# Altium PCB Production_v4.PcbDoc (part 1 of 3) (continued)
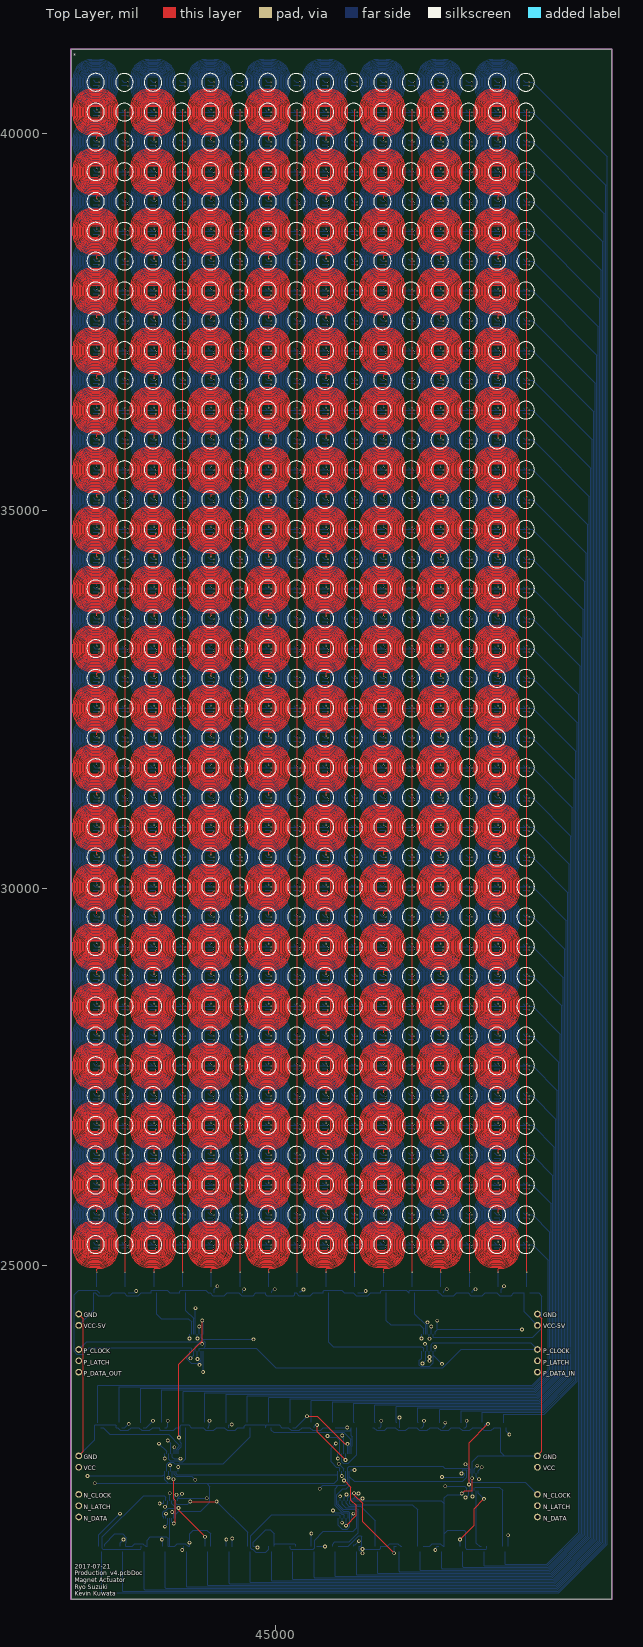
[diagram p0: Top Layer view]
## Footprints (in the part's own frame and the unit in brackets; to place one, negate y for a bottom-side part, rotate by r counter-clockwise, add the part's x,y. Pads: shape width x height; smd on the part's side, far side on the other; paste and mask are expansions set on the pad) (continued)
2(2845,-444.57) 2(2845,-49.57) 2(2845,345.43) 2(2845,740.43) 2(2845,1135.43) 2(2845,1530.43) 2(2845,1925.43) 2(2845,2320.43) 2(2845,2715.43) 2(2845,3110.43) 2(2845,3505.43) 2(2845,3900.43) 2(2845,4295.43) 2(2845,4690.43) 2(2845,5085.43) 2(2845,5480.43) 2(2845,5875.43) 2(2845,6270.43) 2(2845,6665.43) 2(2845,7060.43) 2(2845,7455.43)
  round 20 hole 8: 1(-2805,-7949.57) 1(-2805,-7554.57) 1(-2805,-7159.57) 1(-2805,-6764.57) 1(-2805,-6369.57) 1(-2805,-5974.57) 1(-2805,-5579.57) 1(-2805,-5184.57) 1(-2805,-4789.57) 1(-2805,-4394.57) 1(-2805,-3999.57) 1(-2805,-3604.57) 1(-2805,-3209.57) 1(-2805,-2814.57) 1(-2805,-2419.57) 1(-2805,-2024.57) 1(-2805,-1629.57) 1(-2805,-1234.57) 1(-2805,-839.57) 1(-2805,-444.57) 1(-2805,-49.57) 1(-2805,345.43) 1(-2805,740.43) 1(-2805,1135.43) 1(-2805,1530.43) 1(-2805,1925.43) 1(-2805,2320.43) 1(-2805,2715.43) 1(-2805,3110.43) 1(-2805,3505.43) 1(-2805,3900.43) 1(-2805,4295.87) 1(-2805,4690.87) 1(-2805,5085.87) 1(-2805,5480.87) 1(-2805,5875.87) 1(-2805,6270.87) 1(-2805,6665.87) 1(-2805,7060.87) 1(-2425,-7950) 1(-2425,-7555) 1(-2425,-7160) 1(-2425,-6765) 1(-2425,-6370) 1(-2425,-5975) 1(-2425,-5580) 1(-2425,-5185) 1(-2425,-4790) 1(-2425,-4395) 1(-2425,-4000) 1(-2425,-3605) 1(-2425,-3210) 1(-2425,-2815) 1(-2425,-2420) 1(-2425,-2025) 1(-2425,-1630) 1(-2425,-1235) 1(-2425,-840) 1(-2425,-445) 1(-2425,-50) 1(-2425,345) 1(-2425,740) 1(-2425,1135) 1(-2425,1530) 1(-2425,1925) 1(-2425,2320) 1(-2425,2715) 1(-2425,3110) 1(-2425,3505) 1(-2425,3900) 1(-2425,4295) 1(-2425,4690) 1(-2425,5085) 1(-2425,5480) 1(-2425,5875) 1(-2425,6270) 1(-2425,6665) 1(-2425,7060) 1(-2045,-7949.57) 1(-2045,-7554.57) 1(-2045,-7159.57) 1(-2045,-6764.57) 1(-2045,-6369.57) 1(-2045,-5974.57) 1(-2045,-5579.57) 1(-2045,-5184.57) 1(-2045,-4789.57) 1(-2045,-4394.57) 1(-2045,-3999.57) 1(-2045,-3604.57) 1(-2045,-3209.57) 1(-2045,-2814.57) 1(-2045,-2419.57) 1(-2045,-2024.57) 1(-2045,-1629.57) 1(-2045,-1234.57) 1(-2045,-839.57) 1(-2045,-444.57) 1(-2045,-49.57) 1(-2045,345.43) 1(-2045,740.43) 1(-2045,1135.43) 1(-2045,1530.43) 1(-2045,1925.43) 1(-2045,2320.43) 1(-2045,2715.43) 1(-2045,3110.43) 1(-2045,3505.43) 1(-2045,3900.43) 1(-2045,4295.87) 1(-2045,4690.87) 1(-2045,5085.87) 1(-2045,5480.87) 1(-2045,5875.87) 1(-2045,6270.87) 1(-2045,6665.87) 1(-2045,7060.87) 1(-1665,-7950) 1(-1665,-7555) 1(-1665,-7160) 1(-1665,-6765) 1(-1665,-6370) 1(-1665,-5975) 1(-1665,-5580) 1(-1665,-5185) 1(-1665,-4790) 1(-1665,-4395) 1(-1665,-4000) 1(-1665,-3605) 1(-1665,-3210) 1(-1665,-2815) 1(-1665,-2420) 1(-1665,-2025) 1(-1665,-1630) 1(-1665,-1235) 1(-1665,-840) 1(-1665,-445) 1(-1665,-50) 1(-1665,345) 1(-1665,740) 1(-1665,1135) 1(-1665,1530) 1(-1665,1925) 1(-1665,2320) 1(-1665,2715) 1(-1665,3110) 1(-1665,3505) 1(-1665,3900) 1(-1665,4295) 1(-1665,4690) 1(-1665,5085) 1(-1665,5480) 1(-1665,5875) 1(-1665,6270) 1(-1665,6665) 1(-1665,7060) 1(-1285,-7949.57) 1(-1285,-7554.57) 1(-1285,-7159.57) 1(-1285,-6764.57) 1(-1285,-6369.57) 1(-1285,-5974.57) 1(-1285,-5579.57) 1(-1285,-5184.57) 1(-1285,-4789.57) 1(-1285,-4394.57) 1(-1285,-3999.57) 1(-1285,-3604.57) 1(-1285,-3209.57) 1(-1285,-2814.57) 1(-1285,-2419.57) 1(-1285,-2024.57) 1(-1285,-1629.57) 1(-1285,-1234.57) 1(-1285,-839.57) 1(-1285,-444.57) 1(-1285,-49.57) 1(-1285,345.43) 1(-1285,740.43) 1(-1285,1135.43) 1(-1285,1530.43) 1(-1285,1925.43) 1(-1285,2320.43) 1(-1285,2715.43) 1(-1285,3110.43) 1(-1285,3505.43) 1(-1285,3900.43) 1(-1285,4295.87) 1(-1285,4690.87) 1(-1285,5085.87) 1(-1285,5480.87) 1(-1285,5875.87) 1(-1285,6270.87) 1(-1285,6665.87) 1(-1285,7060.87) 1(-905,-7950) 1(-905,-7555) 1(-905,-7160) 1(-905,-6765) 1(-905,-6370) 1(-905,-5975) 1(-905,-5580) 1(-905,-5185) 1(-905,-4790) 1(-905,-4395) 1(-905,-4000) 1(-905,-3605) 1(-905,-3210) 1(-905,-2815) 1(-905,-2420) 1(-905,-2025) 1(-905,-1630) 1(-905,-1235) 1(-905,-840) 1(-905,-445) 1(-905,-50) 1(-905,345) 1(-905,740) 1(-905,1135) 1(-905,1530) 1(-905,1925) 1(-905,2320) 1(-905,2715) 1(-905,3110) 1(-905,3505) 1(-905,3900) 1(-905,4295) 1(-905,4690) 1(-905,5085) 1(-905,5480) 1(-905,5875) 1(-905,6270) 1(-905,6665) 1(-905,7060) 1(-525,-7949.57) 1(-525,-7554.57) 1(-525,-7159.57) 1(-525,-6764.57) 1(-525,-6369.57) 1(-525,-5974.57) 1(-525,-5579.57) 1(-525,-5184.57) 1(-525,-4789.57) 1(-525,-4394.57) 1(-525,-3999.57) 1(-525,-3604.57) 1(-525,-3209.57) 1(-525,-2814.57) 1(-525,-2419.57) 1(-525,-2024.57) 1(-525,-1629.57) 1(-525,-1234.57) 1(-525,-839.57) 1(-525,-444.57) 1(-525,-49.57) 1(-525,345.43) 1(-525,740.43) 1(-525,1135.43) 1(-525,1530.43) 1(-525,1925.43) 1(-525,2320.43) 1(-525,2715.43) 1(-525,3110.43) 1(-525,3505.43) 1(-525,3900.43) 1(-525,4295.87) 1(-525,4690.87) 1(-525,5085.87) 1(-525,5480.87) 1(-525,5875.87) 1(-525,6270.87) 1(-525,6665.87) 1(-525,7060.87) 1(-145,-7950) 1(-145,-7555) 1(-145,-7160) 1(-145,-6765) 1(-145,-6370) 1(-145,-5975) 1(-145,-5580) 1(-145,-5185) 1(-145,-4790) 1(-145,-4395) 1(-145,-4000) 1(-145,-3605) 1(-145,-3210) 1(-145,-2815) 1(-145,-2420) 1(-145,-2025) 1(-145,-1630) 1(-145,-1235) 1(-145,-840) 1(-145,-445) 1(-145,-50) 1(-145,345) 1(-145,740) 1(-145,1135) 1(-145,1530) 1(-145,1925) 1(-145,2320) 1(-145,2715) 1(-145,3110) 1(-145,3505) 1(-145,3900) 1(-145,4295) 1(-145,4690) 1(-145,5085) 1(-145,5480) 1(-145,5875) 1(-145,6270) 1(-145,6665) 1(-145,7060) 1(235,-7949.57) 1(235,-7554.57) 1(235,-7159.57) 1(235,-6764.57) 1(235,-6369.57) 1(235,-5974.57) 1(235,-5579.57) 1(235,-5184.57) 1(235,-4789.57) 1(235,-4394.57) 1(235,-3999.57) 1(235,-3604.57) 1(235,-3209.57) 1(235,-2814.57) 1(235,-2419.57) 1(235,-2024.57) 1(235,-1629.57) 1(235,-1234.57) 1(235,-839.57) 1(235,-444.57) 1(235,-49.57) 1(235,345.43) 1(235,740.43) 1(235,1135.43) 1(235,1530.43) 1(235,1925.43) 1(235,2320.43) 1(235,2715.43) 1(235,3110.43) 1(235,3505.43) 1(235,3900.43) 1(235,4295.87) 1(235,4690.87) 1(235,5085.87) 1(235,5480.87) 1(235,5875.87) 1(235,6270.87) 1(235,6665.87) 1(235,7060.87) 1(615,-7950) 1(615,-7555) 1(615,-7160) 1(615,-6765) 1(615,-6370) 1(615,-5975) 1(615,-5580) 1(615,-5185) 1(615,-4790) 1(615,-4395) 1(615,-4000) 1(615,-3605) 1(615,-3210) 1(615,-2815) 1(615,-2420) 1(615,-2025) 1(615,-1630) 1(615,-1235) 1(615,-840) 1(615,-445) 1(615,-50) 1(615,345) 1(615,740) 1(615,1135) 1(615,1530) 1(615,1925) 1(615,2320) 1(615,2715) 1(615,3110) 1(615,3505) 1(615,3900) 1(615,4295) 1(615,4690) 1(615,5085) 1(615,5480) 1(615,5875) 1(615,6270) 1(615,6665) 1(615,7060) 1(995,-7949.57) 1(995,-7554.57) 1(995,-7159.57) 1(995,-6764.57) 1(995,-6369.57) 1(995,-5974.57) 1(995,-5579.57) 1(995,-5184.57) 1(995,-4789.57) 1(995,-4394.57) 1(995,-3999.57) 1(995,-3604.57) 1(995,-3209.57) 1(995,-2814.57) 1(995,-2419.57) 1(995,-2024.57) 1(995,-1629.57) 1(995,-1234.57) 1(995,-839.57) 1(995,-444.57) 1(995,-49.57) 1(995,345.43) 1(995,740.43) 1(995,1135.43) 1(995,1530.43) 1(995,1925.43) 1(995,2320.43) 1(995,2715.43) 1(995,3110.43) 1(995,3505.43) 1(995,3900.43) 1(995,4295.87) 1(995,4690.87) 1(995,5085.87) 1(995,5480.87) 1(995,5875.87) 1(995,6270.87) 1(995,6665.87) 1(995,7060.87) 1(1375,-7950) 1(1375,-7555) 1(1375,-7160) 1(1375,-6765) 1(1375,-6370) 1(1375,-5975) 1(1375,-5580) 1(1375,-5185) 1(1375,-4790) 1(1375,-4395) 1(1375,-4000) 1(1375,-3605) 1(1375,-3210) 1(1375,-2815) 1(1375,-2420) 1(1375,-2025) 1(1375,-1630) 1(1375,-1235) 1(1375,-840) 1(1375,-445) 1(1375,-50) 1(1375,345) 1(1375,740) 1(1375,1135) 1(1375,1530) 1(1375,1925) 1(1375,2320) 1(1375,2715) 1(1375,3110) 1(1375,3505) 1(1375,3900) 1(1375,4295) 1(1375,4690) 1(1375,5085) 1(1375,5480) 1(1375,5875) 1(1375,6270) 1(1375,6665) 1(1375,7060) 1(1755,-7949.57) 1(1755,-7554.57) 1(1755,-7159.57) 1(1755,-6764.57) 1(1755,-6369.57) 1(1755,-5974.57) 1(1755,-5579.57) 1(1755,-5184.57) 1(1755,-4789.57) 1(1755,-4394.57) 1(1755,-3999.57) 1(1755,-3604.57) 1(1755,-3209.57) 1(1755,-2814.57) 1(1755,-2419.57) 1(1755,-2024.57) 1(1755,-1629.57) 1(1755,-1234.57) 1(1755,-839.57) 1(1755,-444.57) 1(1755,-49.57) 1(1755,345.43) 1(1755,740.43) 1(1755,1135.43) 1(1755,1530.43) 1(1755,1925.43) 1(1755,2320.43) 1(1755,2715.43) 1(1755,3110.43) 1(1755,3505.43) 1(1755,3900.43) 1(1755,4295.87) 1(1755,4690.87) 1(1755,5085.87) 1(1755,5480.87) 1(1755,5875.87) 1(1755,6270.87) 1(1755,6665.87) 1(1755,7060.87) 1(2135,-7950) 1(2135,-7555) 1(2135,-7160) 1(2135,-6765) 1(2135,-6370) 1(2135,-5975) 1(2135,-5580) 1(2135,-5185) 1(2135,-4790) 1(2135,-4395) 1(2135,-4000) 1(2135,-3605) 1(2135,-3210) 1(2135,-2815) 1(2135,-2420) 1(2135,-2025) 1(2135,-1630) 1(2135,-1235) 1(2135,-840) 1(2135,-445) 1(2135,-50) 1(2135,345) 1(2135,740) 1(2135,1135) 1(2135,1530) 1(2135,1925) 1(2135,2320) 1(2135,2715) 1(2135,3110) 1(2135,3505) 1(2135,3900) 1(2135,4295) 1(2135,4690) 1(2135,5085) 1(2135,5480) 1(2135,5875) 1(2135,6270) 1(2135,6665) 1(2135,7060) 1(2515,-7949.57) 1(2515,-7554.57) 1(2515,-7159.57) 1(2515,-6764.57) 1(2515,-6369.57) 1(2515,-5974.57) 1(2515,-5579.57) 1(2515,-5184.57) 1(2515,-4789.57) 1(2515,-4394.57) 1(2515,-3999.57) 1(2515,-3604.57) 1(2515,-3209.57) 1(2515,-2814.57) 1(2515,-2419.57) 1(2515,-2024.57) 1(2515,-1629.57) 1(2515,-1234.57) 1(2515,-839.57) 1(2515,-444.57) 1(2515,-49.57) 1(2515,345.43) 1(2515,740.43) 1(2515,1135.43) 1(2515,1530.43) 1(2515,1925.43) 1(2515,2320.43) 1(2515,2715.43) 1(2515,3110.43) 1(2515,3505.43) 1(2515,3900.43) 1(2515,4295.87) 1(2515,4690.87) 1(2515,5085.87) 1(2515,5480.87) 1(2515,5875.87) 1(2515,6270.87) 1(2515,6665.87) 1(2515,7060.87) 1(2895,-7950) 1(2895,-7555) 1(2895,-7160) 1(2895,-6765) 1(2895,-6370) 1(2895,-5975) 1(2895,-5580) 1(2895,-5185) 1(2895,-4790) 1(2895,-4395) 1(2895,-4000) 1(2895,-3605) 1(2895,-3210) 1(2895,-2815) 1(2895,-2420) 1(2895,-2025) 1(2895,-1630) 1(2895,-1235) 1(2895,-840) 1(2895,-445) 1(2895,-50) 1(2895,345) 1(2895,740) 1(2895,1135) 1(2895,1530) 1(2895,1925) 1(2895,2320) 1(2895,2715) 1(2895,3110) 1(2895,3505) 1(2895,3900) 1(2895,4295) 1(2895,4690) 1(2895,5085) 1(2895,5480) 1(2895,5875) 1(2895,6270) 1(2895,6665) 1(2895,7060) P1(-2805,-8344.57) P2(-2425,-8345) P3(-2045,-8344.57) P4(-1665,-8345) P5(-1285,-8344.57) P6(-905,-8345) P7(-525,-8344.57) P8(-145,-8345) P9(235,-8344.57) P10(615,-8345) P11(995,-8344.57) P12(1375,-8345) P13(1755,-8344.57) P14(2135,-8345) P15(2515,-8344.57) P16(2895,-8345)
  round 18 hole 9.84: 2(-2775,-8029.57) 2(-2775,-7634.57) 2(-2775,-7239.57) 2(-2775,-6844.57) 2(-2775,-6449.57) 2(-2775,-6054.57) 2(-2775,-5659.57) 2(-2775,-5264.57) 2(-2775,-4869.57) 2(-2775,-4474.57) 2(-2775,-4079.57) 2(-2775,-3684.57) 2(-2775,-3289.57) 2(-2775,-2894.57) 2(-2775,-2499.57) 2(-2775,-2104.57) 2(-2775,-1709.57) 2(-2775,-1314.57) 2(-2775,-919.57) 2(-2775,-524.57) 2(-2775,-129.57) 2(-2775,265.43) 2(-2775,660.43) 2(-2775,1055.43) 2(-2775,1450.43) 2(-2775,1845.43) 2(-2775,2240.43) 2(-2775,2635.43) 2(-2775,3030.43) 2(-2775,3425.43) 2(-2775,3820.43) 2(-2775,4215.43) 2(-2775,4610.87) 2(-2775,5005.87) 2(-2775,5400.87) 2(-2775,5795.87) 2(-2775,6190.87) 2(-2775,6585.87) 2(-2775,6980.87) 2(-2775,7375.87) 2(-2395,-8030) 2(-2395,-7635) 2(-2395,-7240) 2(-2395,-6845) 2(-2395,-6450) 2(-2395,-6055) 2(-2395,-5660) 2(-2395,-5265) 2(-2395,-4870) 2(-2395,-4475) 2(-2395,-4080) 2(-2395,-3685) 2(-2395,-3290) 2(-2395,-2895) 2(-2395,-2500) 2(-2395,-2105) 2(-2395,-1710) 2(-2395,-1315) 2(-2395,-920) 2(-2395,-525) 2(-2395,-130) 2(-2395,265) 2(-2395,660) 2(-2395,1055) 2(-2395,1450) 2(-2395,1845) 2(-2395,2240) 2(-2395,2635) 2(-2395,3030) 2(-2395,3425) 2(-2395,3820) 2(-2395,4215) 2(-2395,4610) 2(-2395,5005) 2(-2395,5400) 2(-2395,5795) 2(-2395,6190) 2(-2395,6585) 2(-2395,6980) 2(-2395,7375) 2(-2015,-8029.57) 2(-2015,-7634.57) 2(-2015,-7239.57) 2(-2015,-6844.57) 2(-2015,-6449.57) 2(-2015,-6054.57) 2(-2015,-5659.57) 2(-2015,-5264.57) 2(-2015,-4869.57) 2(-2015,-4474.57) 2(-2015,-4079.57) 2(-2015,-3684.57) 2(-2015,-3289.57) 2(-2015,-2894.57) 2(-2015,-2499.57) 2(-2015,-2104.57) 2(-2015,-1709.57) 2(-2015,-1314.57) 2(-2015,-919.57) 2(-2015,-524.57) 2(-2015,-129.57) 2(-2015,265.43) 2(-2015,660.43) 2(-2015,1055.43) 2(-2015,1450.43) 2(-2015,1845.43) 2(-2015,2240.43) 2(-2015,2635.43) 2(-2015,3030.43) 2(-2015,3425.43) 2(-2015,3820.43) 2(-2015,4215.43) 2(-2015,4610.87) 2(-2015,5005.87) 2(-2015,5400.87) 2(-2015,5795.87) 2(-2015,6190.87) 2(-2015,6585.87) 2(-2015,6980.87) 2(-2015,7375.87) 2(-1635,-8030) 2(-1635,-7635) 2(-1635,-7240) 2(-1635,-6845) 2(-1635,-6450) 2(-1635,-6055) 2(-1635,-5660) 2(-1635,-5265) 2(-1635,-4870) 2(-1635,-4475) 2(-1635,-4080) 2(-1635,-3685) 2(-1635,-3290) 2(-1635,-2895) 2(-1635,-2500) 2(-1635,-2105) 2(-1635,-1710) 2(-1635,-1315) 2(-1635,-920) 2(-1635,-525) 2(-1635,-130) 2(-1635,265) 2(-1635,660) 2(-1635,1055) 2(-1635,1450) 2(-1635,1845) 2(-1635,2240) 2(-1635,2635) 2(-1635,3030) 2(-1635,3425) 2(-1635,3820) 2(-1635,4215) 2(-1635,4610) 2(-1635,5005) 2(-1635,5400) 2(-1635,5795) 2(-1635,6190) 2(-1635,6585) 2(-1635,6980) 2(-1635,7375) 2(-1255,-8029.57) 2(-1255,-7634.57) 2(-1255,-7239.57) 2(-1255,-6844.57) 2(-1255,-6449.57) 2(-1255,-6054.57) 2(-1255,-5659.57) 2(-1255,-5264.57) 2(-1255,-4869.57) 2(-1255,-4474.57) 2(-1255,-4079.57) 2(-1255,-3684.57) 2(-1255,-3289.57) 2(-1255,-2894.57) 2(-1255,-2499.57) 2(-1255,-2104.57) 2(-1255,-1709.57) 2(-1255,-1314.57) 2(-1255,-919.57) 2(-1255,-524.57) 2(-1255,-129.57) 2(-1255,265.43) 2(-1255,660.43) 2(-1255,1055.43) 2(-1255,1450.43) 2(-1255,1845.43) 2(-1255,2240.43) 2(-1255,2635.43) 2(-1255,3030.43) 2(-1255,3425.43) 2(-1255,3820.43) 2(-1255,4215.43) 2(-1255,4610.87) 2(-1255,5005.87) 2(-1255,5400.87) 2(-1255,5795.87) 2(-1255,6190.87) 2(-1255,6585.87) 2(-1255,6980.87) 2(-1255,7375.87) 2(-875,-8030) 2(-875,-7635) 2(-875,-7240) 2(-875,-6845) 2(-875,-6450) 2(-875,-6055) 2(-875,-5660) 2(-875,-5265) 2(-875,-4870) 2(-875,-4475) 2(-875,-4080) 2(-875,-3685) 2(-875,-3290) 2(-875,-2895) 2(-875,-2500) 2(-875,-2105) 2(-875,-1710) 2(-875,-1315) 2(-875,-920) 2(-875,-525) 2(-875,-130) 2(-875,265) 2(-875,660) 2(-875,1055) 2(-875,1450) 2(-875,1845) 2(-875,2240) 2(-875,2635) 2(-875,3030) 2(-875,3425) 2(-875,3820) 2(-875,4215) 2(-875,4610) 2(-875,5005) 2(-875,5400) 2(-875,5795) 2(-875,6190) 2(-875,6585) 2(-875,6980) 2(-875,7375) 2(-495,-8029.57) 2(-495,-7634.57) 2(-495,-7239.57) 2(-495,-6844.57) 2(-495,-6449.57) 2(-495,-6054.57) 2(-495,-5659.57) 2(-495,-5264.57) 2(-495,-4869.57) 2(-495,-4474.57) 2(-495,-4079.57) 2(-495,-3684.57) 2(-495,-3289.57) 2(-495,-2894.57) 2(-495,-2499.57) 2(-495,-2104.57) 2(-495,-1709.57) 2(-495,-1314.57) 2(-495,-919.57) 2(-495,-524.57) 2(-495,-129.57) 2(-495,265.43) 2(-495,660.43) 2(-495,1055.43) 2(-495,1450.43) 2(-495,1845.43) 2(-495,2240.43) 2(-495,2635.43) 2(-495,3030.43) 2(-495,3425.43) 2(-495,3820.43) 2(-495,4215.43) 2(-495,4610.87) 2(-495,5005.87) 2(-495,5400.87) 2(-495,5795.87) 2(-495,6190.87) 2(-495,6585.87) 2(-495,6980.87) 2(-495,7375.87) 2(-115,-8030) 2(-115,-7635) 2(-115,-7240) 2(-115,-6845) 2(-115,-6450) 2(-115,-6055) 2(-115,-5660) 2(-115,-5265) 2(-115,-4870) 2(-115,-4475) 2(-115,-4080) 2(-115,-3685) 2(-115,-3290) 2(-115,-2895) 2(-115,-2500) 2(-115,-2105) 2(-115,-1710) 2(-115,-1315) 2(-115,-920) 2(-115,-525) 2(-115,-130) 2(-115,265) 2(-115,660) 2(-115,1055) 2(-115,1450) 2(-115,1845) 2(-115,2240) 2(-115,2635) 2(-115,3030) 2(-115,3425) 2(-115,3820) 2(-115,4215) 2(-115,4610) 2(-115,5005) 2(-115,5400) 2(-115,5795) 2(-115,6190) 2(-115,6585) 2(-115,6980) 2(-115,7375) 2(265,-8029.57) 2(265,-7634.57) 2(265,-7239.57) 2(265,-6844.57) 2(265,-6449.57) 2(265,-6054.57) 2(265,-5659.57) 2(265,-5264.57) 2(265,-4869.57) 2(265,-4474.57) 2(265,-4079.57) 2(265,-3684.57) 2(265,-3289.57) 2(265,-2894.57) 2(265,-2499.57) 2(265,-2104.57) 2(265,-1709.57) 2(265,-1314.57) 2(265,-919.57) 2(265,-524.57) 2(265,-129.57) 2(265,265.43) 2(265,660.43) 2(265,1055.43) 2(265,1450.43) 2(265,1845.43) 2(265,2240.43) 2(265,2635.43) 2(265,3030.43) 2(265,3425.43) 2(265,3820.43) 2(265,4215.43) 2(265,4610.87) 2(265,5005.87) 2(265,5400.87) 2(265,5795.87) 2(265,6190.87) 2(265,6585.87) 2(265,6980.87) 2(265,7375.87) 2(645,-8030) 2(645,-7635) 2(645,-7240) 2(645,-6845) 2(645,-6450) 2(645,-6055) 2(645,-5660) 2(645,-5265) 2(645,-4870) 2(645,-4475) 2(645,-4080) 2(645,-3685) 2(645,-3290) 2(645,-2895) 2(645,-2500) 2(645,-2105) 2(645,-1710) 2(645,-1315) 2(645,-920) 2(645,-525) 2(645,-130) 2(645,265) 2(645,660) 2(645,1055) 2(645,1450) 2(645,1845) 2(645,2240) 2(645,2635) 2(645,3030) 2(645,3425) 2(645,3820) 2(645,4215) 2(645,4610) 2(645,5005) 2(645,5400) 2(645,5795) 2(645,6190) 2(645,6585) 2(645,6980) 2(645,7375) 2(1025,-8029.57) 2(1025,-7634.57) 2(1025,-7239.57) 2(1025,-6844.57) 2(1025,-6449.57) 2(1025,-6054.57) 2(1025,-5659.57) 2(1025,-5264.57) 2(1025,-4869.57) 2(1025,-4474.57) 2(1025,-4079.57) 2(1025,-3684.57) 2(1025,-3289.57) 2(1025,-2894.57) 2(1025,-2499.57) 2(1025,-2104.57) 2(1025,-1709.57) 2(1025,-1314.57) 2(1025,-919.57) 2(1025,-524.57) 2(1025,-129.57) 2(1025,265.43) 2(1025,660.43) 2(1025,1055.43) 2(1025,1450.43) 2(1025,1845.43) 2(1025,2240.43) 2(1025,2635.43) 2(1025,3030.43) 2(1025,3425.43) 2(1025,3820.43) 2(1025,4215.43) 2(1025,4610.87) 2(1025,5005.87) 2(1025,5400.87) 2(1025,5795.87) 2(1025,6190.87) 2(1025,6585.87) 2(1025,6980.87) 2(1025,7375.87) 2(1405,-8030) 2(1405,-7635) 2(1405,-7240) 2(1405,-6845) 2(1405,-6450) 2(1405,-6055) 2(1405,-5660) 2(1405,-5265) 2(1405,-4870) 2(1405,-4475) 2(1405,-4080) 2(1405,-3685) 2(1405,-3290) 2(1405,-2895) 2(1405,-2500) 2(1405,-2105) 2(1405,-1710) 2(1405,-1315) 2(1405,-920) 2(1405,-525) 2(1405,-130) 2(1405,265) 2(1405,660) 2(1405,1055) 2(1405,1450) 2(1405,1845) 2(1405,2240) 2(1405,2635) 2(1405,3030) 2(1405,3425) 2(1405,3820) 2(1405,4215) 2(1405,4610) 2(1405,5005) 2(1405,5400) 2(1405,5795) 2(1405,6190) 2(1405,6585) 2(1405,6980) 2(1405,7375) 2(1785,-8029.57) 2(1785,-7634.57) 2(1785,-7239.57) 2(1785,-6844.57) 2(1785,-6449.57) 2(1785,-6054.57) 2(1785,-5659.57) 2(1785,-5264.57) 2(1785,-4869.57) 2(1785,-4474.57) 2(1785,-4079.57) 2(1785,-3684.57) 2(1785,-3289.57) 2(1785,-2894.57) 2(1785,-2499.57) 2(1785,-2104.57) 2(1785,-1709.57) 2(1785,-1314.57) 2(1785,-919.57) 2(1785,-524.57) 2(1785,-129.57) 2(1785,265.43) 2(1785,660.43) 2(1785,1055.43) 2(1785,1450.43) 2(1785,1845.43) 2(1785,2240.43) 2(1785,2635.43) 2(1785,3030.43) 2(1785,3425.43) 2(1785,3820.43) 2(1785,4215.43) 2(1785,4610.87) 2(1785,5005.87) 2(1785,5400.87) 2(1785,5795.87) 2(1785,6190.87) 2(1785,6585.87) 2(1785,6980.87) 2(1785,7375.87) 2(2165,-8030) 2(2165,-7635) 2(2165,-7240) 2(2165,-6845) 2(2165,-6450) 2(2165,-6055) 2(2165,-5660) 2(2165,-5265) 2(2165,-4870) 2(2165,-4475) 2(2165,-4080) 2(2165,-3685) 2(2165,-3290) 2(2165,-2895) 2(2165,-2500) 2(2165,-2105) 2(2165,-1710) 2(2165,-1315) 2(2165,-920) 2(2165,-525) 2(2165,-130) 2(2165,265) 2(2165,660) 2(2165,1055) 2(2165,1450) 2(2165,1845) 2(2165,2240) 2(2165,2635) 2(2165,3030) 2(2165,3425) 2(2165,3820) 2(2165,4215) 2(2165,4610) 2(2165,5005) 2(2165,5400) 2(2165,5795) 2(2165,6190) 2(2165,6585) 2(2165,6980) 2(2165,7375) 2(2545,-8029.57) 2(2545,-7634.57) 2(2545,-7239.57) 2(2545,-6844.57) 2(2545,-6449.57) 2(2545,-6054.57) 2(2545,-5659.57) 2(2545,-5264.57) 2(2545,-4869.57) 2(2545,-4474.57) 2(2545,-4079.57) 2(2545,-3684.57) 2(2545,-3289.57) 2(2545,-2894.57) 2(2545,-2499.57) 2(2545,-2104.57) 2(2545,-1709.57) 2(2545,-1314.57) 2(2545,-919.57) 2(2545,-524.57) 2(2545,-129.57) 2(2545,265.43) 2(2545,660.43) 2(2545,1055.43) 2(2545,1450.43) 2(2545,1845.43) 2(2545,2240.43) 2(2545,2635.43) 2(2545,3030.43) 2(2545,3425.43) 2(2545,3820.43) 2(2545,4215.43) 2(2545,4610.87) 2(2545,5005.87) 2(2545,5400.87) 2(2545,5795.87) 2(2545,6190.87) 2(2545,6585.87) 2(2545,6980.87) 2(2545,7375.87) 2(2925,-8030) 2(2925,-7635) 2(2925,-7240) 2(2925,-6845) 2(2925,-6450) 2(2925,-6055) 2(2925,-5660) 2(2925,-5265) 2(2925,-4870) 2(2925,-4475) 2(2925,-4080) 2(2925,-3685) 2(2925,-3290) 2(2925,-2895) 2(2925,-2500) 2(2925,-2105) 2(2925,-1710) 2(2925,-1315) 2(2925,-920) 2(2925,-525) 2(2925,-130) 2(2925,265) 2(2925,660) 2(2925,1055) 2(2925,1450) 2(2925,1845) 2(2925,2240) 2(2925,2635) 2(2925,3030) 2(2925,3425) 2(2925,3820) 2(2925,4215) 2(2925,4610) 2(2925,5005) 2(2925,5400) 2(2925,5795) 2(2925,6190) 2(2925,6585) 2(2925,6980) 2(2925,7375)